# KiCad board stensgrind_pcb.kicad_pcb
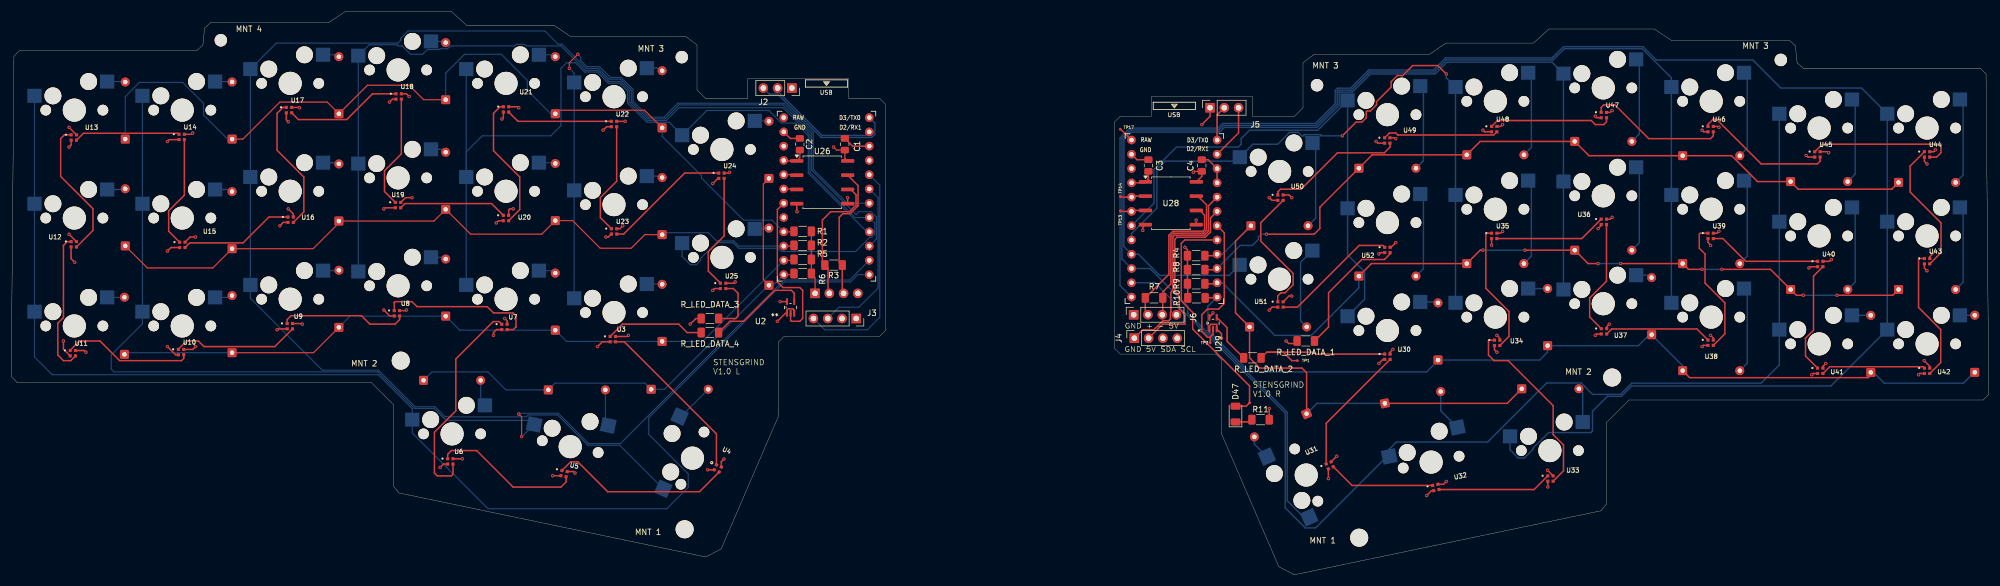
[diagram p0: board, top side]
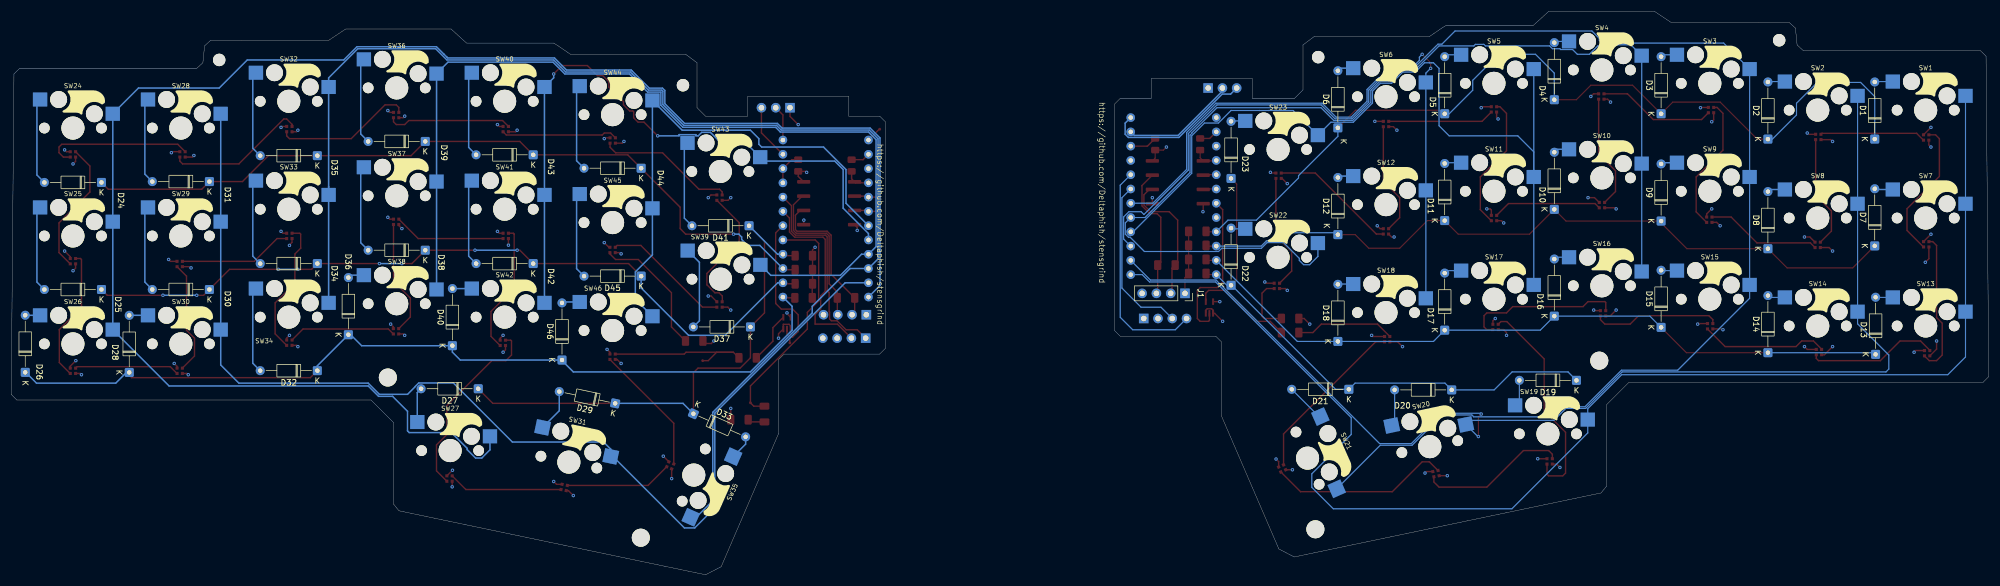
[diagram p1: board, bottom side, seen from below]

Outline 351.78 x 100.25 mm; copper layers: Top, In1.Cu (plane), In2.Cu (plane), Bottom. Coordinates in mm from the lower left corner of the outline.
Outline path: 0,35.25 0.48,92.26 1.49,93.25 32.99,93.25 34.09,94.25 34.39,97.26 35.49,98.25 56.49,98.25 59.49,100.25 78.25,100.25 80.99,97.75 96.49,97.75 97.3,97.25 99.49,95.75 119.99,95.75 121.99,94.25 121.99,86.25 123.49,84.75 130.99,84.75 130.99,88.25 148.99,88.25 148.99,84.75 154.49,84.75 155.49,83.75 155.49,43.43 154.49,42.43 137.49,42.43 136.49,41.43 136.49,28.25 126.28,4.59 123.53,3.16 68.97,14.55 67.99,15.75 67.99,30.25 63.99,34.25 0.99,34.25 0,35.25 ; 196.28,80.59 197.28,81.59 202.78,81.59 202.78,85.09 220.78,85.09 220.78,81.59 228.28,81.59 229.78,83.09 229.78,91.09 231.78,92.59 252.28,92.59 254.48,94.09 255.28,94.59 270.78,94.59 273.53,97.09 292.28,97.09 295.28,95.09 316.28,95.09 317.38,94.1 317.68,91.09 318.78,90.09 350.28,90.09 351.29,89.09 351.78,32.09 350.78,31.09 287.78,31.09 283.78,27.09 283.78,12.59 282.8,11.39 228.24,0 225.49,1.43 215.28,25.09 215.28,38.26 214.28,39.26 197.28,39.26 196.28,40.26 196.28,80.59
Stack: Top 0.035mm / dielectric 0.1mm FR4 er 4.5 / In1.Cu 0.035mm / dielectric 1.24mm FR4 er 4.5 / In2.Cu 0.035mm / dielectric 0.1mm FR4 er 4.5 / Bottom 0.035mm

## Placement (name value [footprint] x y rotation side)
C1  0.1uf  [C_0805_2012Metric_Pad1.18x1.45mm_HandSolder]  148.28 76.59 270 top
C2  0.1uf  [C_0805_2012Metric_Pad1.18x1.45mm_HandSolder]  140.28 76.59 270 top
C3  0.1uf  [C_0805_2012Metric_Pad1.18x1.45mm_HandSolder]  202.28 72.8 270 top
C4  0.1uf  [C_0805_2012Metric_Pad1.18x1.45mm_HandSolder]  211.78 72.8 270 top
D1  D  [D_DO-35_SOD27_P10.16mm_Horizontal]  20.28 77.51 90 bottom
D2  D  [D_DO-35_SOD27_P10.16mm_Horizontal]  39.28 77.51 90 bottom
D3  D  [D_DO-35_SOD27_P10.16mm_Horizontal]  58.28 82.01 90 bottom
D4  D  [D_DO-35_SOD27_P10.16mm_Horizontal]  77.28 84.51 90 bottom
D5  D  [D_DO-35_SOD27_P10.16mm_Horizontal]  96.78 82.01 90 bottom
D6  D  [D_DO-35_SOD27_P10.16mm_Horizontal]  115.78 79.51 90 bottom
D7  D  [D_DO-35_SOD27_P10.16mm_Horizontal]  20.28 58.51 90 bottom
D8  D  [D_DO-35_SOD27_P10.16mm_Horizontal]  39.28 58.01 90 bottom
D9  D  [D_DO-35_SOD27_P10.16mm_Horizontal]  58.28 62.93 90 bottom
D10  D  [D_DO-35_SOD27_P10.16mm_Horizontal]  77.28 65.01 90 bottom
D11  D  [D_DO-35_SOD27_P10.16mm_Horizontal]  96.78 63.01 90 bottom
D12  D  [D_DO-35_SOD27_P10.16mm_Horizontal]  115.78 60.51 90 bottom
D13  D  [D_DO-35_SOD27_P10.16mm_Horizontal]  20.13 39.21 90 bottom
D14  D  [D_DO-35_SOD27_P10.16mm_Horizontal]  39.28 39.51 90 bottom
D15  D  [D_DO-35_SOD27_P10.16mm_Horizontal]  58.28 44.01 90 bottom
D16  D  [D_DO-35_SOD27_P10.16mm_Horizontal]  77.28 46.01 90 bottom
D17  D  [D_DO-35_SOD27_P10.16mm_Horizontal]  96.78 43.51 90 bottom
D18  D  [D_DO-35_SOD27_P10.16mm_Horizontal]  115.78 41.51 90 bottom
D19  D  [D_DO-35_SOD27_P10.16mm_Horizontal]  73.34 34.59 0 bottom
D20  D  [D_DO-35_SOD27_P10.16mm_Horizontal]  95.53 32.89 0 bottom
D21  D  [D_DO-35_SOD27_P10.16mm_Horizontal]  113.83 32.99 0 bottom
D22  D  [D_DO-35_SOD27_P10.16mm_Horizontal]  134.78 51.51 90 bottom
D23  D  [D_DO-35_SOD27_P10.16mm_Horizontal]  134.78 70.51 90 bottom
D24  D  [D_DO-35_SOD27_P10.16mm_Horizontal]  335.72 69.8 0 bottom
D25  D  [D_DO-35_SOD27_P10.16mm_Horizontal]  335.72 50.75 0 bottom
D26  D  [D_DO-35_SOD27_P10.16mm_Horizontal]  349.28 36.01 90 bottom
D27  D  [D_DO-35_SOD27_P10.16mm_Horizontal]  268.7 33.09 0 bottom
D28  D  [D_DO-35_SOD27_P10.16mm_Horizontal]  330.78 35.99 90 bottom
D29  D  [D_DO-35_SOD27_P10.16mm_Horizontal]  244.34 30.49 11.9 bottom
D30  D  [D_DO-35_SOD27_P10.16mm_Horizontal]  316.52 50.75 0 bottom
D31  D  [D_DO-35_SOD27_P10.16mm_Horizontal]  316.52 69.95 0 bottom
D32  D  [D_DO-35_SOD27_P10.16mm_Horizontal]  297.32 36.31 0 bottom
D33  D  [D_DO-35_SOD27_P10.16mm_Horizontal]  230.43 28.65 203.9 bottom
D34  D  [D_DO-35_SOD27_P10.16mm_Horizontal]  297.32 55.36 0 bottom
D35  D  [D_DO-35_SOD27_P10.16mm_Horizontal]  297.32 74.56 0 bottom
D36  D  [D_DO-35_SOD27_P10.16mm_Horizontal]  291.8 42.71 90 bottom
D37  D  [D_DO-35_SOD27_P10.16mm_Horizontal]  220.28 44.09 0 bottom
D38  D  [D_DO-35_SOD27_P10.16mm_Horizontal]  278.12 57.74 0 bottom
D39  D  [D_DO-35_SOD27_P10.16mm_Horizontal]  278.12 77.09 0 bottom
D40  D  [D_DO-35_SOD27_P10.16mm_Horizontal]  273.3 40.76 90 bottom
D41  D  [D_DO-35_SOD27_P10.16mm_Horizontal]  220.52 62.09 0 bottom
D42  D  [D_DO-35_SOD27_P10.16mm_Horizontal]  258.92 55.36 0 bottom
D43  D  [D_DO-35_SOD27_P10.16mm_Horizontal]  258.92 74.71 0 bottom
D44  D  [D_DO-35_SOD27_P10.16mm_Horizontal]  239.72 72.33 0 bottom
D45  D  [D_DO-35_SOD27_P10.16mm_Horizontal]  239.72 53.13 0 bottom
D46  D  [D_DO-35_SOD27_P10.16mm_Horizontal]  253.8 38.21 90 bottom
D47  LED  [LED_1206_3216Metric]  217.78 28.59 90 top
J1  Conn_01x04_Pin  [PinSocket_1x04_P2.54mm_Vertical]  142.98 50.07 270 bottom
J2  SERIAL_01  [PinSocket_1x03_P2.54mm_Vertical]  138.86 86.59 270 top
J3  DISPLAY_01  [PinSocket_1x04_P2.54mm_Vertical]  150.32 45.59 270 top
J4  Conn_01x04_Pin  [PinSocket_1x04_P2.54mm_Vertical]  199.78 42.09 90 top
J5  SERIAL_01  [PinSocket_1x03_P2.54mm_Vertical]  213.24 83.09 90 top
J6  Conn_01x04_Pin  [PinSocket_1x04_P2.54mm_Vertical]  199.66 46.26 90 top
LEFT  -  [Board]  1.49 93.25 0 top
MNT 1  -  [MountingHole_3.2mm_M3]  119.78 8.09 0 top
MNT 1#2  -  [MountingHole_3.2mm_M3]  239.78 6.59 0 top
MNT 2  -  [MountingHole_3.2mm_M3]  69.28 38.09 0 top
MNT 2#2  -  [MountingHole_3.2mm_M3]  284.78 35.09 0 top
MNT 3  -  [MountingHole_2.2mm_M2]  314.78 91.59 0 top
MNT 3#2  -  [MountingHole_2.2mm_M2]  119.28 92.09 0 top
MNT 3#3  -  [MountingHole_2.2mm_M2]  232.28 87.09 0 top
MNT 4  -  [MountingHole_2.2mm_M2]  37.28 95.09 0 top
R1  100k  [R_1206_3216Metric_Pad1.30x1.75mm_HandSolder]  140.78 61.09 0 top
R2  100k  [R_1206_3216Metric_Pad1.30x1.75mm_HandSolder]  140.78 58.59 0 top
R3  120  [R_1206_3216Metric_Pad1.30x1.75mm_HandSolder]  146.28 55.09 180 top
R4  100k  [R_1206_3216Metric_Pad1.30x1.75mm_HandSolder]  210.78 56.76 180 top
R5  100k  [R_1206_3216Metric_Pad1.30x1.75mm_HandSolder]  140.78 56.09 0 top
R6  100k  [R_1206_3216Metric_Pad1.30x1.75mm_HandSolder]  140.78 53.59 0 top
R7  120  [R_1206_3216Metric_Pad1.30x1.75mm_HandSolder]  203.28 49.26 180 top
R8  100k  [R_1206_3216Metric_Pad1.30x1.75mm_HandSolder]  210.78 54.26 180 top
R9  100k  [R_1206_3216Metric_Pad1.30x1.75mm_HandSolder]  210.78 51.76 180 top
R10  100k  [R_1206_3216Metric_Pad1.30x1.75mm_HandSolder]  210.83 49.26 180 top
R11  R  [R_1206_3216Metric_Pad1.30x1.75mm_HandSolder]  222.23 27.59 0 top
R_LED_DATA_1  500  [R_1206_3216Metric_Pad1.30x1.75mm_HandSolder]  230.28 41.59 180 top
R_LED_DATA_2  500  [R_1206_3216Metric_Pad1.30x1.75mm_HandSolder]  220.78 38.59 180 top
R_LED_DATA_3  500  [R_1206_3216Metric_Pad1.30x1.75mm_HandSolder]  124.28 45.59 180 top
R_LED_DATA_4  500  [R_1206_3216Metric_Pad1.30x1.75mm_HandSolder]  124.28 43.09 0 top
RIGHT  -  [Board]  197.28 81.59 0 top
SW1  SW_PUSH  [keyswitch_cherrymx_hotswap_1u]  11.22 82.66 180 bottom
SW2  SW_PUSH  [keyswitch_cherrymx_hotswap_1u]  30.42 82.66 180 bottom
SW3  SW_PUSH  [keyswitch_cherrymx_hotswap_1u]  49.62 87.43 180 bottom
SW4  SW_PUSH  [keyswitch_cherrymx_hotswap_1u]  68.82 89.81 180 bottom
SW5  SW_PUSH  [keyswitch_cherrymx_hotswap_1u]  88.02 87.43 180 bottom
SW6  SW_PUSH  [keyswitch_cherrymx_hotswap_1u]  107.22 85.05 180 bottom
SW7  SW_PUSH  [keyswitch_cherrymx_hotswap_1u]  11.22 63.46 180 bottom
SW8  SW_PUSH  [keyswitch_cherrymx_hotswap_1u]  30.42 63.46 180 bottom
SW9  SW_PUSH  [keyswitch_cherrymx_hotswap_1u]  49.62 68.23 180 bottom
SW10  SW_PUSH  [keyswitch_cherrymx_hotswap_1u]  68.82 70.61 180 bottom
SW11  SW_PUSH  [keyswitch_cherrymx_hotswap_1u]  88.02 68.23 180 bottom
SW12  SW_PUSH  [keyswitch_cherrymx_hotswap_1u]  107.22 65.85 180 bottom
SW13  SW_PUSH  [keyswitch_cherrymx_hotswap_1u]  11.22 44.26 180 bottom
SW14  SW_PUSH  [keyswitch_cherrymx_hotswap_1u]  30.42 44.26 180 bottom
SW15  SW_PUSH  [keyswitch_cherrymx_hotswap_1u]  49.62 49.03 180 bottom
SW16  SW_PUSH  [keyswitch_cherrymx_hotswap_1u]  68.82 51.41 180 bottom
SW17  SW_PUSH  [keyswitch_cherrymx_hotswap_1u]  88.02 49.03 180 bottom
SW18  SW_PUSH  [keyswitch_cherrymx_hotswap_1u]  107.22 46.65 180 bottom
SW19  SW_PUSH  [keyswitch_cherrymx_hotswap_1u]  78.42 25.06 180 bottom
SW20  SW_PUSH  [keyswitch_cherrymx_hotswap_1u]  99.43 22.79 168.1 bottom
SW21  SW_PUSH  [keyswitch_cherrymx_hotswap_1u]  121.18 20.75 246.1 bottom
SW22  SW_PUSH  [keyswitch_cherrymx_hotswap_1u]  126.42 56.47 180 bottom
SW23  SW_PUSH  [keyswitch_cherrymx_hotswap_1u]  126.42 75.67 180 bottom
SW24  SW_PUSH  [keyswitch_cherrymx_hotswap_1u]  340.8 79.47 180 bottom
SW25  SW_PUSH  [keyswitch_cherrymx_hotswap_1u]  340.8 60.27 180 bottom
SW26  SW_PUSH  [keyswitch_cherrymx_hotswap_1u]  340.8 41.07 180 bottom
SW27  SW_PUSH  [keyswitch_cherrymx_hotswap_1u]  273.7 22.09 180 bottom
SW28  SW_PUSH  [keyswitch_cherrymx_hotswap_1u]  321.6 79.47 180 bottom
SW29  SW_PUSH  [keyswitch_cherrymx_hotswap_1u]  321.6 60.27 180 bottom
SW30  SW_PUSH  [keyswitch_cherrymx_hotswap_1u]  321.6 41.07 180 bottom
SW31  SW_PUSH  [keyswitch_cherrymx_hotswap_1u]  252.58 20.04 191.9 bottom
SW32  SW_PUSH  [keyswitch_cherrymx_hotswap_1u]  302.4 84.24 180 bottom
SW33  SW_PUSH  [keyswitch_cherrymx_hotswap_1u]  302.4 65.04 180 bottom
SW34  SW_PUSH  [keyswitch_cherrymx_hotswap_1u]  302.4 45.84 180 bottom
SW35  SW_PUSH  [keyswitch_cherrymx_hotswap_1u]  230.36 17.74 293.9 bottom
SW36  SW_PUSH  [keyswitch_cherrymx_hotswap_1u]  283.2 86.62 180 bottom
SW37  SW_PUSH  [keyswitch_cherrymx_hotswap_1u]  283.2 67.42 180 bottom
SW38  SW_PUSH  [keyswitch_cherrymx_hotswap_1u]  283.2 48.22 180 bottom
SW39  SW_PUSH  [keyswitch_cherrymx_hotswap_1u]  225.6 52.59 180 bottom
SW40  SW_PUSH  [keyswitch_cherrymx_hotswap_1u]  264 84.24 180 bottom
SW41  SW_PUSH  [keyswitch_cherrymx_hotswap_1u]  264 65.04 180 bottom
SW42  SW_PUSH  [keyswitch_cherrymx_hotswap_1u]  264 45.84 180 bottom
SW43  SW_PUSH  [keyswitch_cherrymx_hotswap_1u]  225.63 71.75 180 bottom
SW44  SW_PUSH  [keyswitch_cherrymx_hotswap_1u]  244.8 81.85 180 bottom
SW45  SW_PUSH  [keyswitch_cherrymx_hotswap_1u]  244.8 62.65 180 bottom
SW46  SW_PUSH  [keyswitch_cherrymx_hotswap_1u]  244.8 43.45 180 bottom
TP1  0.5mm  [TestPoint-0.5mm]  228.78 38.09 0 top
TP2  0.5mm  [TestPoint-0.5mm]  213.28 41.26 0 top
TP3  0.5mm  [TestPoint-0.5mm]  220.28 30.59 0 top
TP13  0.5mm  [TestPoint-0.5mm]  197.28 64.76 0 top
TP14  0.5mm  [TestPoint-0.5mm]  197.28 67.26 0 top
TP17  0.5mm  [TestPoint-0.5mm]  197.28 79.26 0 top
U1  ProMicro_r  [ProMicro]  145.02 66.86 0 top
U2  CAHCT1G125QDCKRQ1  [DCK5]  138.63 47.55 90 top
U3  4492  [LED_4492]  107.01 41.92 0 top
U4  4492  [LED_4492]  125.69 18.92 336.1 top
U5  4492  [LED_4492]  98.33 17.99 348.1 top
U6  4492  [LED_4492]  78.11 20.17 0 top
U7  4492  [LED_4492]  87.73 44.09 0 top
U8  4492  [LED_4492]  68.61 46.52 0 top
U9  4492  [LED_4492]  49.56 44.22 0 top
U10  4492  [LED_4492]  30.21 39.62 0 top
U11  4492  [LED_4492]  10.96 39.42 0 top
U12  4492  [LED_4492]  11.12 58.79 0 top
U13  4492  [LED_4492]  11.13 77.79 0 top
U14  4492  [LED_4492]  30.32 77.89 0 top
U15  4492  [LED_4492]  30.43 58.69 0 top
U16  4492  [LED_4492]  49.71 63.17 0 top
U17  4492  [LED_4492]  49.41 82.67 0 top
U18  4492  [LED_4492]  68.92 85.09 0 top
U19  4492  [LED_4492]  68.81 65.77 0 top
U20  4492  [LED_4492]  88.01 63.47 0 top
U21  4492  [LED_4492]  88.02 82.79 0 top
U22  4492  [LED_4492]  107.22 80.19 0 top
U23  4492  [LED_4492]  107.23 61.09 0 top
U24  4492  [LED_4492]  126.33 70.99 0 top
U25  4492  [LED_4492]  126.63 51.39 0 top
U26  ISO1050DUB  [SOP-8_6.62x9.15mm_P2.54mm]  144.26 69.82 0 top
U27  ProMicro_r  [ProMicro]  206.9 62.87 0 top
U28  ISO1050DUB  [SOP-8_6.62x9.15mm_P2.54mm]  206.28 66.09 0 top
U29  CAHCT1G125QDCKRQ1  [DCK5]  213.78 44.76 90 top
U30  4492  [LED_4492]  244.8 38.79 0 top
U31  4492  [LED_4492]  234.54 19.46 23.9 top
U32  4492  [LED_4492]  253.42 15.53 11.9 top
U33  4492  [LED_4492]  273.81 17.12 0 top
U34  4492  [LED_4492]  264.33 41.26 0 top
U35  4492  [LED_4492]  263.8 60.29 0 top
U36  4492  [LED_4492]  283.3 62.79 0 top
U37  4492  [LED_4492]  283.33 43.31 0 top
U38  4492  [LED_4492]  302.3 41.29 0 top
U39  4492  [LED_4492]  302.3 60.29 0 top
U40  4492  [LED_4492]  321.8 55.29 0 top
U41  4492  [LED_4492]  321.8 36.29 0 top
U42  4492  [LED_4492]  340.8 36.29 0 top
U43  4492  [LED_4492]  340.8 55.79 0 top
U44  4492  [LED_4492]  340.8 74.79 0 top
U45  4492  [LED_4492]  321.3 74.79 0 top
U46  4492  [LED_4492]  302.3 79.29 0 top
U47  4492  [LED_4492]  283.3 81.79 0 top
U48  4492  [LED_4492]  263.8 79.29 0 top
U49  4492  [LED_4492]  244.78 77.26 0 top
U50  4492  [LED_4492]  225.78 67.09 0 top
U51  4492  [LED_4492]  225.78 48.09 0 top
U52  4492  [LED_4492]  244.8 57.79 0 top

## Library data of the parts
C1-C4 R_LED_DATA_1 R_LED_DATA_2 = -: Description: Unpolarized capacitor; ki_fp_filters: C_*
D1-D46 = -: Description: Diode; Sim.Pins: 1=K 2=A; ki_fp_filters: TO-???* *_Diode_* *SingleDiode* D_*
D47 = -: Description: Light emitting diode; Sim.Pins: 1=K 2=A; ki_fp_filters: LED* LED_SMD:* LED_THT:*
J1 J3 J4 J6 = -: Description: Generic connector, single row, 01x04, script generated; ki_fp_filters: Connector*:*_1x??_*
J2 J5 = -: Description: Generic connector, single row, 01x03, script generated; ki_fp_filters: Connector*:*_1x??_*
R1-R11 R_LED_DATA_3 R_LED_DATA_4 = -: Description: Resistor; ki_fp_filters: R_*
TP1-TP3 TP13 TP14 TP17 = -: Description: Test Point; ki_fp_filters: Pin* Test*
U2 U29 = -: Datasheet: https://www.ti.com/lit/gpn/sn74ahct1g125-q1; ki_fp_filters: DCK5 DCK5-M DCK5-L
U3-U25 U30-U52 = -: PARTREV: 14/10/19; STANDARD: Manufacturer Recommendations; MAXIMUM_PACKAGE_HEIGHT: 0.65 mm; MANUFACTURER: Adafruit Industries
U26 U28 = -: Datasheet: http://www.ti.com/lit/ds/symlink/iso1050.pdf; Description: Isolated CAN Transceiver, SOP-8; ki_fp_filters: SOP*6.62x9.15mm*P2.54mm*

## Footprints (pads in the part's own frame, mm; a bottom-side part is the same pattern mirrored in y, then rotated)
C_0805_2012Metric_Pad1.18x1.45mm_HandSolder
  rrect 1.175x1.45 smd: 1(-1.038,0) 2(1.038,0)
D_DO-35_SOD27_P10.16mm_Horizontal
  rrect 1.6x1.6 hole 0.8: 1(0,0)
  round 1.6 hole 0.8: 2(10.16,0)
DCK5
  rect 1.168x0.356 smd: 1(-1.041,0.65) 2(-1.041,0) 3(-1.041,-0.65) 4(1.041,-0.65) 5(1.041,0.65)
keyswitch_cherrymx_hotswap_1u
  round 1.9 hole 1.9 unplated: (-5.08,0) (5.08,0)
  round 3 hole 3 unplated: (-2.54,5.08) (3.81,2.54)
  round 4.1 hole 4.1 unplated: (0,0)
  rect 2.55x2.5 smd: 1(7.085,2.54) 2(-5.842,5.08)
LED_1206_3216Metric
  rrect 1.25x1.75 smd: 1(-1.4,0) 2(1.4,0)
LED_4492
  rect 0.55x0.55 smd: 1(-0.475,0.475) 2(-0.475,-0.475) 3(0.475,-0.475) 4(0.475,0.475)
MountingHole_2.2mm_M2
  round 2.2 hole 2.2 unplated: (0,0)
MountingHole_3.2mm_M3
  round 3.2 hole 3.2 unplated: (0,0)
PinSocket_1x03_P2.54mm_Vertical
  rect 1.7x1.7 hole 1: 1(0,0)
  round 1.7 hole 1: 2(0,-2.54) 3(0,-5.08)
PinSocket_1x04_P2.54mm_Vertical
  rect 1.7x1.7 hole 1: 1(0,0)
  round 1.7 hole 1: 2(0,-2.54) 3(0,-5.08) 4(0,-7.62)
ProMicro
  round 1.524 hole 0.813: 1(7.611,14.478) 2(7.611,11.938) 3(7.611,9.398) 4(7.611,6.858) 5(7.611,4.318) 6(7.611,1.778) 7(7.611,-0.762) 8(7.611,-3.302) 9(7.611,-5.842) 10(7.611,-8.382) 11(7.611,-10.922) 12(7.611,-13.462) 13(-7.609,-13.462) 14(-7.609,-10.922) 15(-7.609,-8.382) 16(-7.609,-5.842) 17(-7.609,-3.302) 18(-7.609,-0.762) 19(-7.609,1.778) 20(-7.609,4.318) 21(-7.609,6.858) 22(-7.609,9.398) 23(-7.609,11.938) 24(-7.609,14.478)
R_1206_3216Metric_Pad1.30x1.75mm_HandSolder
  rrect 1.3x1.75 smd: 1(-1.55,0) 2(1.55,0)
SOP-8_6.62x9.15mm_P2.54mm
  rrect 2.35x0.65 smd: 1(-4.525,3.81) 2(-4.525,1.27) 3(-4.525,-1.27) 4(-4.525,-3.81) 5(4.525,-3.81) 6(4.525,-1.27) 7(4.525,1.27) 8(4.525,3.81)
TestPoint-0.5mm
  round 0.5 smd: 1(0,0)

## Nets
/LEFT_SIDE/V3.3: C2.2 U1.21 U26.1
/LEFT_SIDE/V5: C1.2 J1.4 J3.2 U1.24 U2.5 U3.2 U4.2 U5.2 U6.2 U7.2 U8.2 U9.2 U10.2 U11.2 U12.2 U13.2 U14.2 U15.2 U16.2 U17.2 U18.2 U19.2 U20.2 U21.2 U22.2 U23.2 U24.2 U25.2 U26.8
/RIGHT_SIDE/V3.3: C3.2 U27.21 U28.1
/RIGHT_SIDE/V5: C4.2 J4.3 J6.4 TP17.1 U27.24 U28.8 U29.5 U30.2 U31.2 U32.2 U33.2 U34.2 U35.2 U36.2 U37.2 U38.2 U39.2 U40.2 U41.2 U42.2 U43.2 U44.2 U45.2 U46.2 U47.2 U48.2 U49.2 U50.2 U51.2 U52.2
GNDL: C1.1 C2.1 J1.1 J2.1 J3.1 R1.2 R2.2 R5.2 R6.2 R_LED_DATA_3.2 U1.3 U1.4 U1.23 U2.1 U2.3 U3.4 U4.4 U5.4 U6.4 U7.4 U8.4 U9.4 U10.4 U11.4 U12.4 U13.4 U14.4 U15.4 U16.4 U17.4 U18.4 U19.4 U20.4 U21.4 U22.4 U23.4 U24.4 U25.4 U26.4 U26.5
GNDR: C3.1 C4.1 J4.4 J5.1 J6.1 R4.2 R8.2 R9.2 R10.2 R11.2 R_LED_DATA_1.2 U27.3 U27.4 U27.23 U28.4 U28.5 U29.1 U29.3 U30.4 U31.4 U32.4 U33.4 U34.4 U35.4 U36.4 U37.4 U38.4 U39.4 U40.4 U41.4 U42.4 U43.4 U44.4 U45.4 U46.4 U47.4 U48.4 U49.4 U50.4 U51.4 U52.4
/LEFT_SIDE/CAN+: J1.3 R3.1 U26.7
/LEFT_SIDE/CAN-: J1.2 R3.2 U26.6
/LEFT_SIDE/CAN_RX: U1.20 U26.2
/LEFT_SIDE/CAN_TX: U1.19 U26.3
/LEFT_SIDE/COL_1: SW1.1 SW7.1 SW13.1 SW19.1 U1.12
/LEFT_SIDE/COL_2: SW2.1 SW8.1 SW14.1 SW20.1 U1.11
/LEFT_SIDE/COL_3: SW3.1 SW9.1 SW15.1 SW21.1 U1.10
/LEFT_SIDE/COL_4: SW4.1 SW10.1 SW16.1 SW22.1 U1.8
/LEFT_SIDE/COL_5: SW5.1 SW11.1 SW17.1 SW23.1 U1.9
/LEFT_SIDE/COL_6: SW6.1 SW12.1 SW18.1 U1.7
/LEFT_SIDE/LED_DOUT_V3.3: U1.18 U2.2
/LEFT_SIDE/LED_DOUT_V5: R_LED_DATA_4.2 U2.4
/LEFT_SIDE/NC: U1.17
/LEFT_SIDE/ROW_1: D1.1 D2.1 D3.1 D4.1 D5.1 D6.1 R1.1 U1.16
/LEFT_SIDE/ROW_2: D7.1 D8.1 D9.1 D10.1 D11.1 D12.1 R2.1 U1.15
/LEFT_SIDE/ROW_3: D13.1 D14.1 D15.1 D16.1 D17.1 D18.1 R5.1 U1.14
/LEFT_SIDE/ROW_4: D19.1 D20.1 D21.1 D22.1 D23.1 R6.1 U1.13
/LEFT_SIDE/RST: U1.22
/LEFT_SIDE/SCL: J3.3 U1.6
/LEFT_SIDE/SDA: J3.4 U1.5
/LEFT_SIDE/SERIAL_RX: J2.2 U1.2
/LEFT_SIDE/SERIAL_TX: J2.3 U1.1
/RIGHT_SIDE/CAN+: J6.3 R7.1 U28.7
/RIGHT_SIDE/CAN-: J6.2 R7.2 U28.6
/RIGHT_SIDE/CAN_RX: TP14.1 U27.20 U28.2
/RIGHT_SIDE/CAN_TX: TP13.1 U27.19 U28.3
/RIGHT_SIDE/COL_1: SW24.1 SW25.1 SW26.1 SW27.1 U27.13
/RIGHT_SIDE/COL_2: SW28.1 SW29.1 SW30.1 SW31.1 U27.14
/RIGHT_SIDE/COL_3: SW32.1 SW33.1 SW34.1 SW35.1 U27.15
/RIGHT_SIDE/COL_4: SW36.1 SW37.1 SW38.1 SW39.1 U27.16
/RIGHT_SIDE/COL_5: SW40.1 SW41.1 SW42.1 SW43.1 U27.17
/RIGHT_SIDE/COL_6: SW44.1 SW45.1 SW46.1 U27.18
/RIGHT_SIDE/LED_DOUT_V3.3: TP2.1 U27.7 U29.2
/RIGHT_SIDE/LED_DOUT_V5: R_LED_DATA_2.2 U29.4
/RIGHT_SIDE/ROW_1: D24.1 D31.1 D35.1 D39.1 D43.1 D44.1 R8.1 U27.10
/RIGHT_SIDE/ROW_2: D25.1 D30.1 D34.1 D38.1 D42.1 D45.1 R9.1 U27.11
/RIGHT_SIDE/ROW_3: D26.1 D28.1 D32.1 D36.1 D40.1 D46.1 R10.1 U27.12
/RIGHT_SIDE/ROW_4: D27.1 D29.1 D33.1 D37.1 D41.1 R4.1 U27.9
/RIGHT_SIDE/RST: U27.22
/RIGHT_SIDE/SCL: J4.2 U27.6
/RIGHT_SIDE/SDA: J4.1 U27.5
/RIGHT_SIDE/SERIAL_RX: J5.3 U27.2
/RIGHT_SIDE/SERIAL_TX: J5.2 U27.1
/RIGHT_SIDE/STATUS_LED: D47.2 TP3.1 U27.8
Net-(D1-A): D1.2 SW1.2
Net-(D2-A): D2.2 SW2.2
Net-(D3-A): D3.2 SW3.2
Net-(D4-A): D4.2 SW4.2
Net-(D5-A): D5.2 SW5.2
Net-(D6-A): D6.2 SW6.2
Net-(D7-A): D7.2 SW7.2
Net-(D8-A): D8.2 SW8.2
Net-(D9-A): D9.2 SW9.2
Net-(D10-A): D10.2 SW10.2
Net-(D11-A): D11.2 SW11.2
Net-(D12-A): D12.2 SW12.2
Net-(D13-A): D13.2 SW13.2
Net-(D14-A): D14.2 SW14.2
Net-(D15-A): D15.2 SW15.2
Net-(D16-A): D16.2 SW16.2
Net-(D17-A): D17.2 SW17.2
Net-(D18-A): D18.2 SW18.2
Net-(D19-A): D19.2 SW19.2
Net-(D20-A): D20.2 SW20.2
Net-(D21-A): D21.2 SW21.2
Net-(D22-A): D22.2 SW22.2
Net-(D23-A): D23.2 SW23.2
Net-(D24-A): D24.2 SW24.2
Net-(D25-A): D25.2 SW25.2
Net-(D26-A): D26.2 SW26.2
Net-(D27-A): D27.2 SW27.2
Net-(D28-A): D28.2 SW30.2
Net-(D29-A): D29.2 SW31.2
Net-(D30-A): D30.2 SW29.2
Net-(D31-A): D31.2 SW28.2
Net-(D32-A): D32.2 SW34.2
Net-(D33-A): D33.2 SW35.2
Net-(D34-A): D34.2 SW33.2
Net-(D35-A): D35.2 SW32.2
Net-(D36-A): D36.2 SW38.2
Net-(D37-A): D37.2 SW39.2
Net-(D38-A): D38.2 SW37.2
Net-(D39-A): D39.2 SW36.2
Net-(D40-A): D40.2 SW42.2
Net-(D41-A): D41.2 SW43.2
Net-(D42-A): D42.2 SW41.2
Net-(D43-A): D43.2 SW40.2
Net-(D44-A): D44.2 SW44.2
Net-(D45-A): D45.2 SW45.2
Net-(D46-A): D46.2 SW46.2
Net-(D47-K): D47.1 R11.1
Net-(U3-DIN): R_LED_DATA_4.1 U3.1
Net-(U3-DOUT): U3.3 U4.1
Net-(U4-DOUT): U4.3 U5.1
Net-(U5-DOUT): U5.3 U6.1
Net-(U6-DOUT): U6.3 U7.1
Net-(U7-DOUT): U7.3 U8.1
Net-(U8-DOUT): U8.3 U9.1
Net-(U10-DIN): U9.3 U10.1
Net-(U10-DOUT): U10.3 U11.1
Net-(U11-DOUT): U11.3 U12.1
Net-(U12-DOUT): U12.3 U13.1
Net-(U13-DOUT): U13.3 U14.1
Net-(U14-DOUT): U14.3 U15.1
Net-(U15-DOUT): U15.3 U16.1
Net-(U16-DOUT): U16.3 U17.1
Net-(U17-DOUT): U17.3 U18.1
Net-(U18-DOUT): U18.3 U19.1
Net-(U19-DOUT): U19.3 U20.1
Net-(U20-DOUT): U20.3 U21.1
Net-(U21-DOUT): U21.3 U22.1
Net-(U22-DOUT): U22.3 U23.1
Net-(U23-DOUT): U23.3 U24.1
Net-(U24-DOUT): U24.3 U25.1
Net-(U25-DOUT): R_LED_DATA_3.1 U25.3
Net-(U30-DIN): R_LED_DATA_2.1 TP1.1 U30.1
Net-(U30-DOUT): U30.3 U31.1
Net-(U31-DOUT): U31.3 U32.1
Net-(U32-DOUT): U32.3 U33.1
Net-(U33-DOUT): U33.3 U34.1
Net-(U34-DOUT): U34.3 U35.1
Net-(U35-DOUT): U35.3 U36.1
Net-(U36-DOUT): U36.3 U37.1
Net-(U37-DOUT): U37.3 U38.1
Net-(U38-DOUT): U38.3 U39.1
Net-(U39-DOUT): U39.3 U40.1
Net-(U40-DOUT): U40.3 U41.1
Net-(U41-DOUT): U41.3 U42.1
Net-(U42-DOUT): U42.3 U43.1
Net-(U43-DOUT): U43.3 U44.1
Net-(U44-DOUT): U44.3 U45.1
Net-(U45-DOUT): U45.3 U46.1
Net-(U46-DOUT): U46.3 U47.1
Net-(U47-DOUT): U47.3 U48.1
Net-(U48-DOUT): U48.3 U49.1
Net-(U49-DOUT): U49.3 U50.1
Net-(U50-DOUT): U50.3 U51.1
Net-(U51-DOUT): U51.3 U52.1